# KiCad board FreeDSP_INTEGRA_QUAD_BASIC.kicad_pcb
title: FreeDSP INTEGRA DUO; date: 2026-01-02; rev: 0.3; company: CyberPit HILO
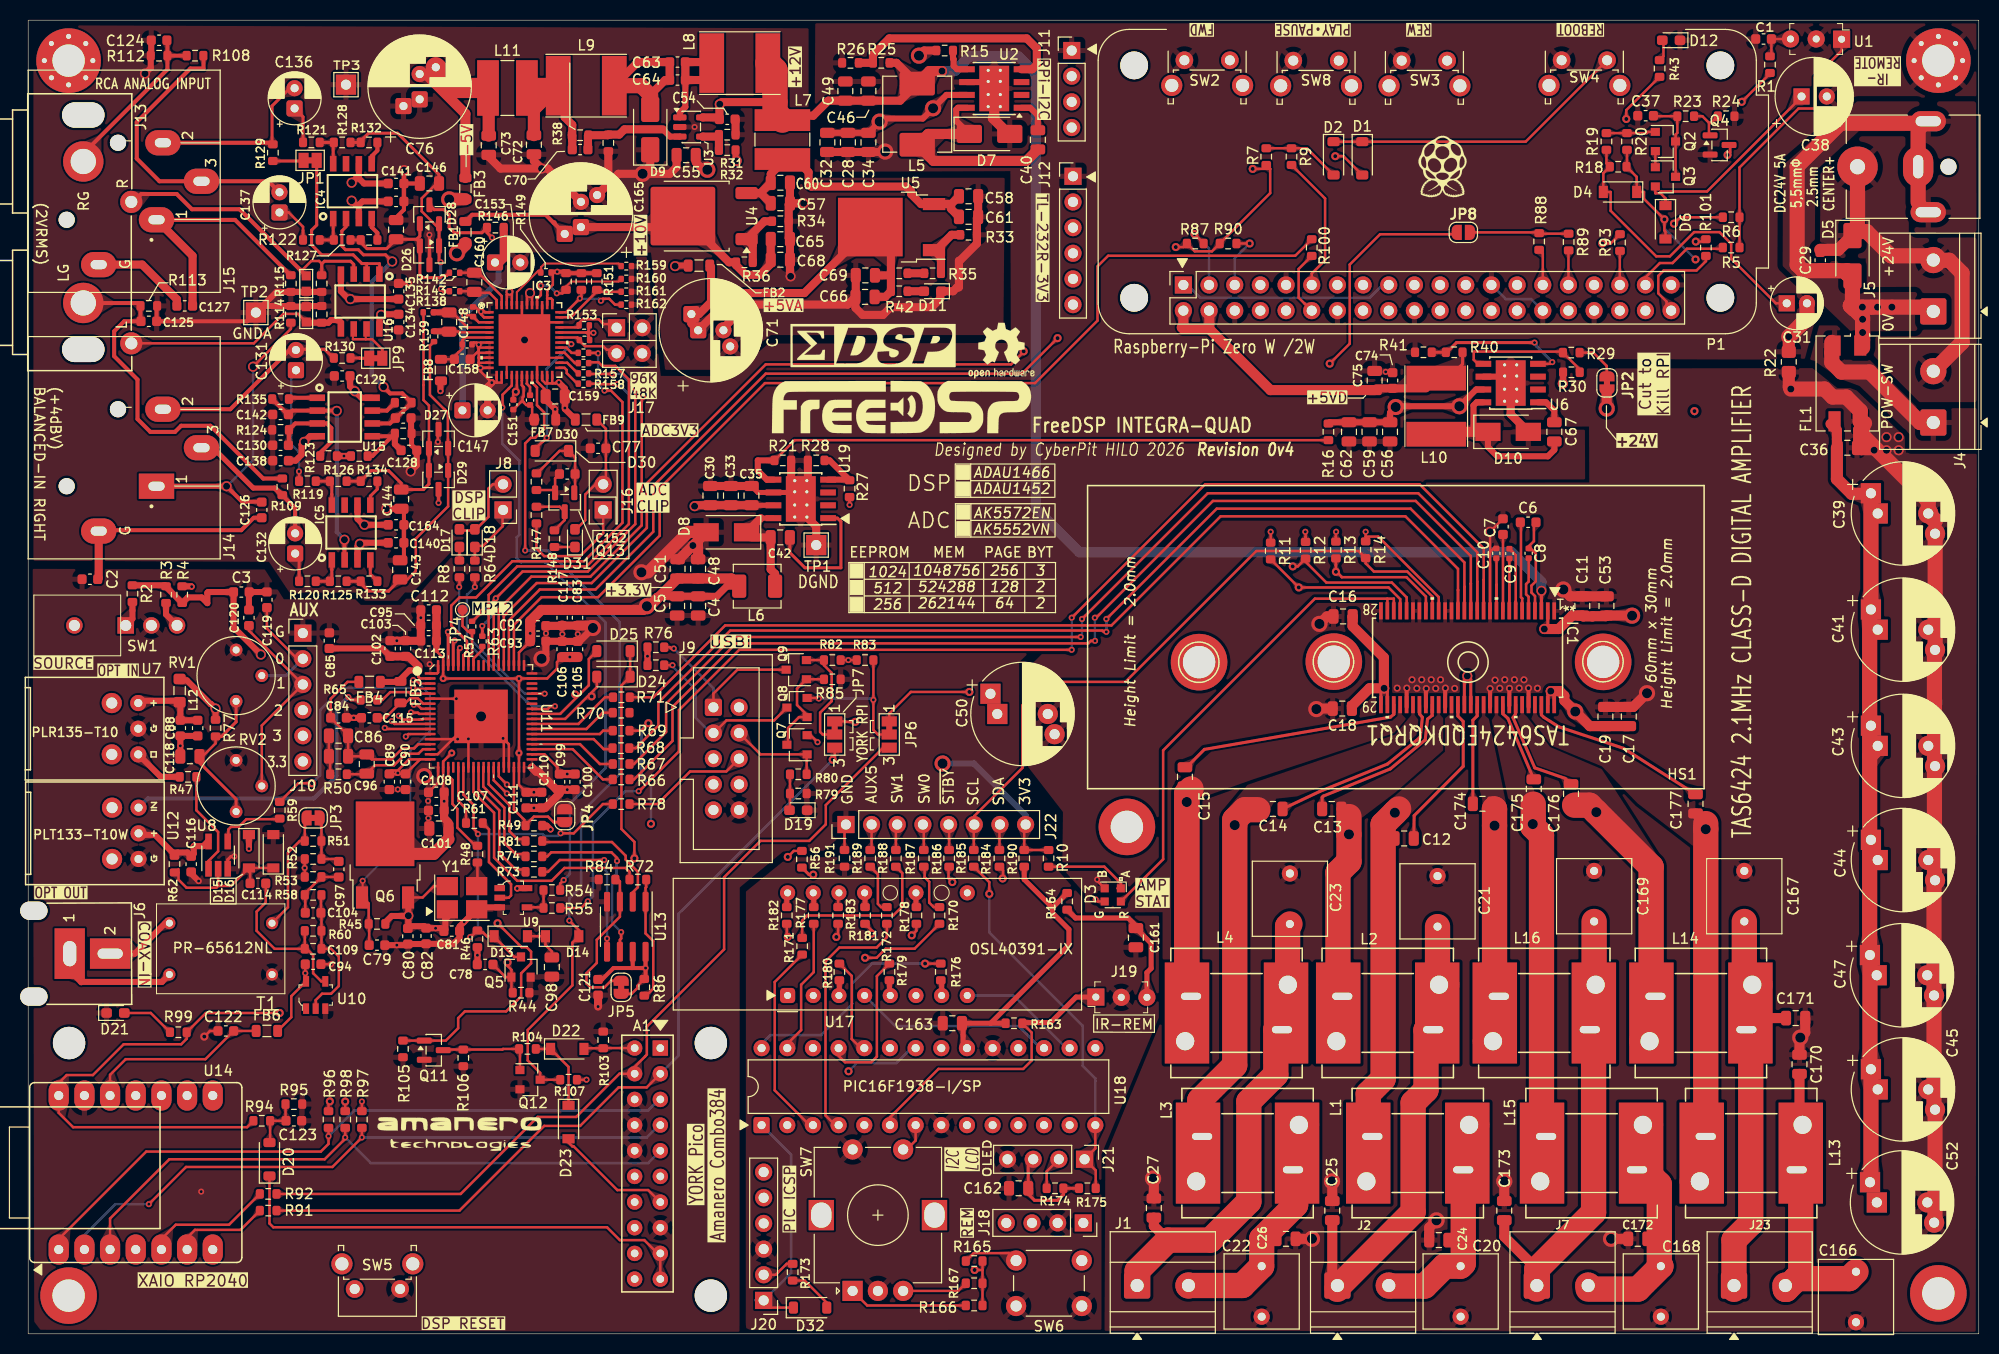
[diagram p0: board, top side]
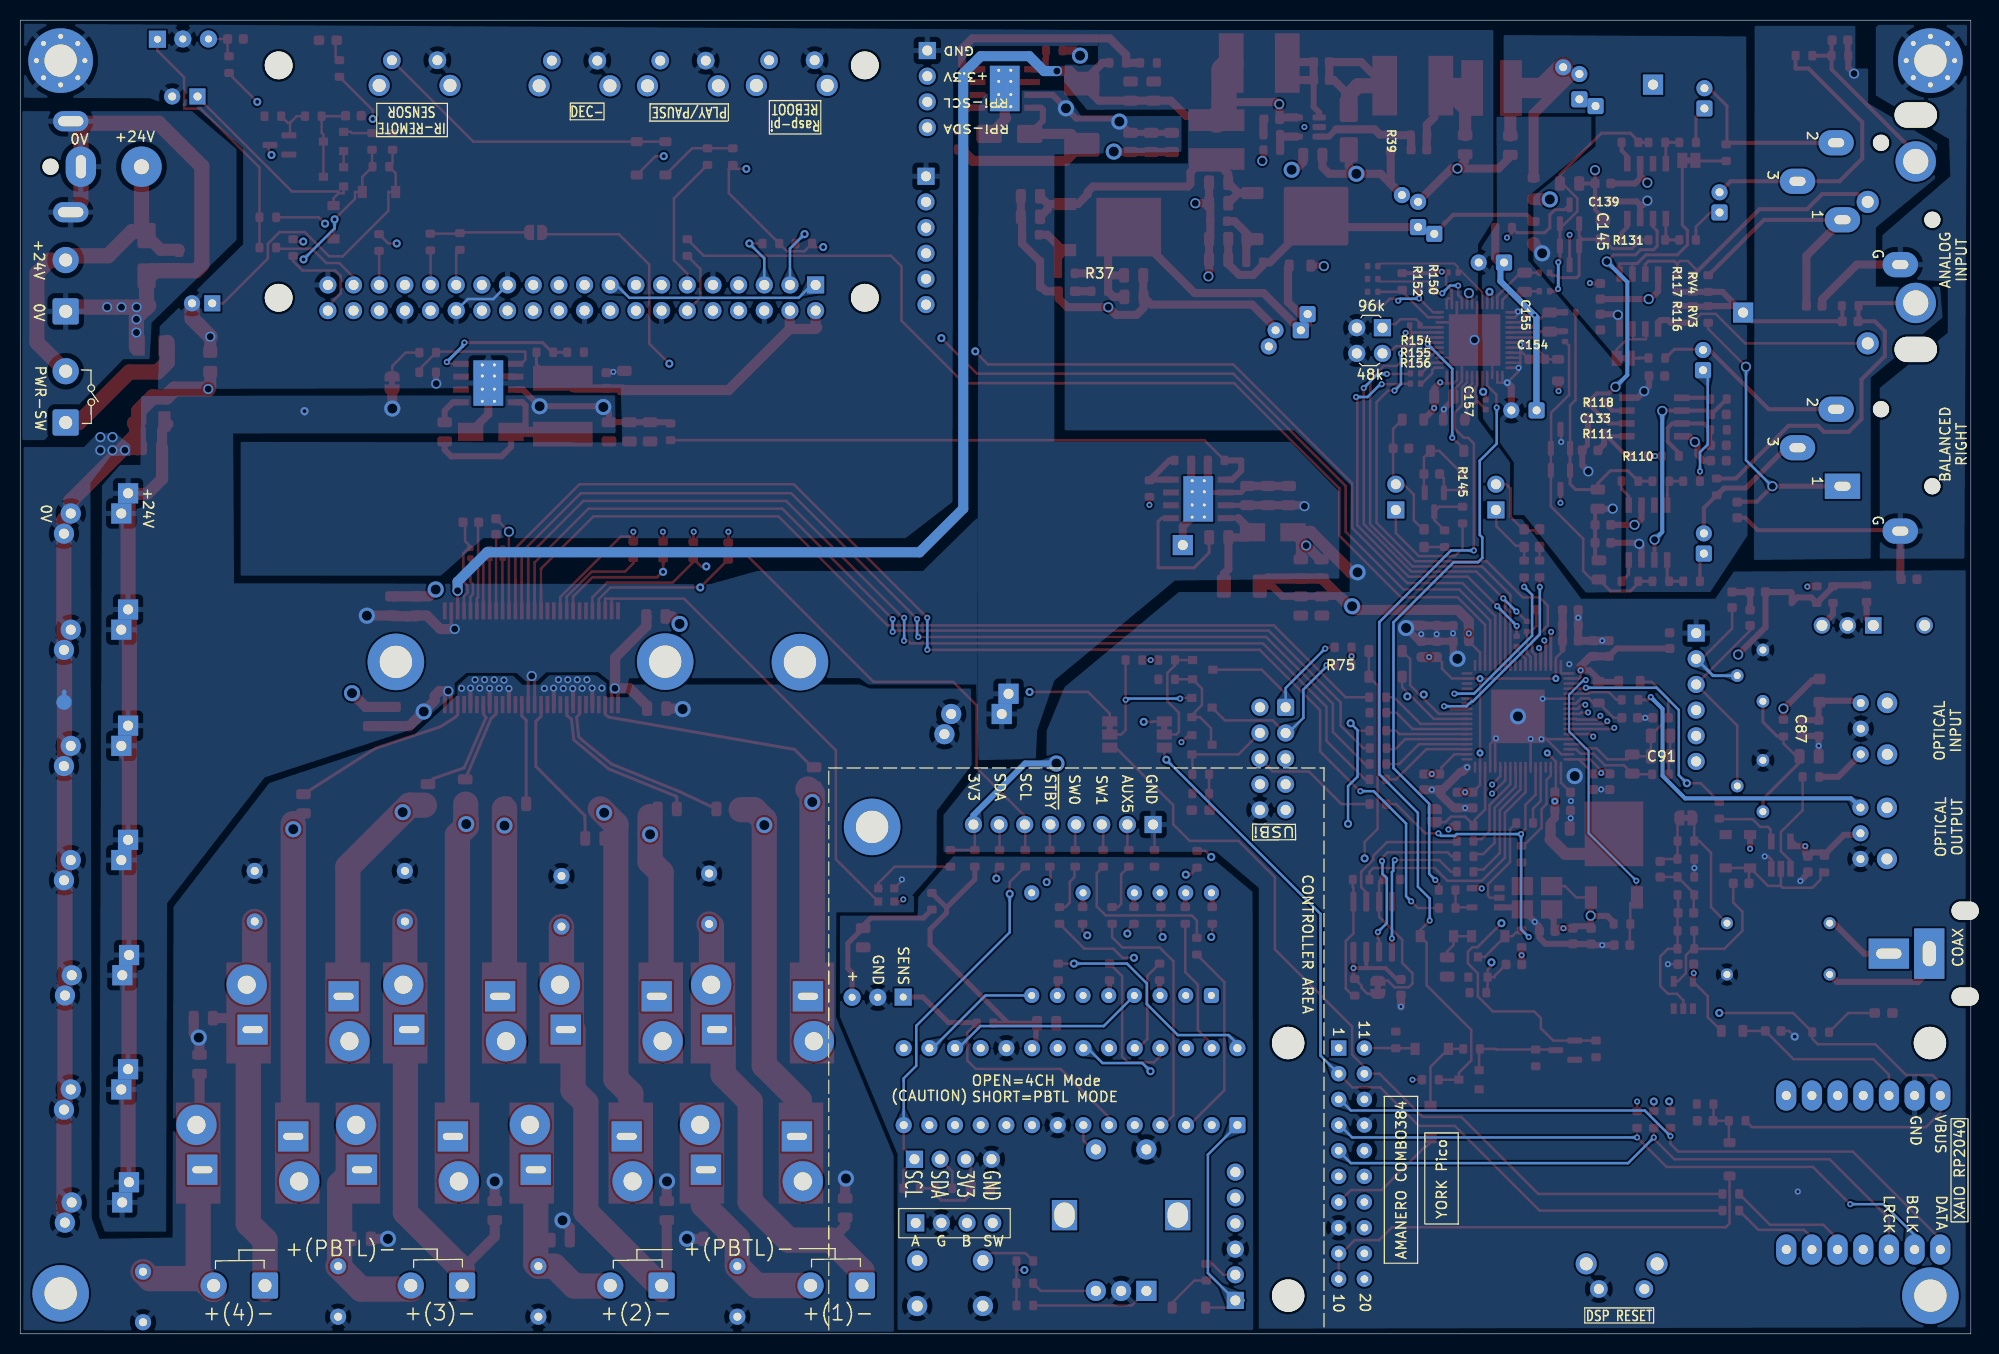
[diagram p1: board, bottom side, seen from below]

Outline 193 x 130 mm; copper layers: Top, In1.Cu (plane), In2.Cu, Bottom. Coordinates in mm from the lower left corner of the outline.
Outline path: 0,130 0,0 193,0 193,130 0,130
Stack: Top 0.035mm / dielectric 0.1mm FR4 er 4.5 / In1.Cu 0.035mm / dielectric 1.24mm FR4 er 4.5 / In2.Cu 0.035mm / dielectric 0.1mm FR4 er 4.5 / Bottom 0.035mm

## Placement (name value [footprint] x y rotation side)
A1  Combo384-Combo384  [Combo384]  62.55 28.28 270 bottom
C1  0.1uF/50V  [C_0603_1608Metric]  171.7 128.14 180 top
C2  0.1uF/50V  [C_0603_1608Metric]  6.11 74.68 0 top
C3  0.1uF/50V  [C_0603_1608Metric]  21.09 73.41 0 top
C4  0.1uF/100V  [C_0805_2012Metric]  66.29 72.03 90 top
C5  10uF/50V  [C_0805_2012Metric]  64.21 72.03 270 top
C6  1uF  [C_0603_1608Metric]  148.41 80.31 180 top
C7  1uF  [C_0603_1608Metric]  145.92 79.88 270 top
C8  1uF  [C_0402_1005Metric]  148.46 77.24 270 top
C9  1uF  [C_0402_1005Metric]  146.56 77.22 270 top
C10  1uF  [C_0402_1005Metric]  145.26 77.24 270 top
C11  2.2uF/50V  [C_0805_2012Metric]  153.77 72.03 90 top
C12  2.2uF/50V  [C_0805_2012Metric]  136.14 49.02 180 top
C13  2.2uF/50V  [C_0805_2012Metric]  128.98 51.94 180 top
C14  2.2uF/50V  [C_0805_2012Metric]  123.16 51.94 180 top
C15  2.2uF/50V  [C_0805_2012Metric]  114.45 55.12 90 top
C16  10uF/50V  [C_0805_2012Metric]  130.1 70.99 180 top
C17  0.1uF/100V  [C_0805_2012Metric]  158.37 61.09 90 top
C18  0.1uF/100V  [C_0805_2012Metric]  130.02 61.87 180 top
C19  10uF/50V  [C_0805_2012Metric]  156.06 61.09 90 top
C20  1.0uF/50V  [C_Rect_L7.2mm_W7.2mm_P5.00mm_FKS2_FKP2_MKS2_MKP2]  141.73 1.69 90 top
C21  1.0uF/50V  [C_Rect_L7.2mm_W7.2mm_P5.00mm_FKS2_FKP2_MKS2_MKP2]  139.45 45.3 270 top
C22  1.0uF/50V  [C_Rect_L7.2mm_W7.2mm_P5.00mm_FKS2_FKP2_MKS2_MKP2]  122.05 1.69 90 top
C23  1.0uF/50V  [C_Rect_L7.2mm_W7.2mm_P5.00mm_FKS2_FKP2_MKS2_MKP2]  124.84 45.55 270 top
C24  1nF/50V(C0G)  [C_0805_2012Metric]  139.57 9.27 0 top
C25  1nF/50V(C0G)  [C_0805_2012Metric]  129.03 12.19 270 top
C26  1nF/50V(C0G)  [C_0805_2012Metric]  124.46 9.4 180 top
C27  1nF/50V(C0G)  [C_0805_2012Metric]  111.38 12.45 270 top
C28  10uF/50V  [C_0805_2012Metric]  81.11 117.91 270 top
C29  0.1uF/50V  [C_0603_1608Metric]  177.31 106.24 90 top
C30  10uF/50V  [C_0805_2012Metric]  67.5 82.95 90 top
C31  22uF/16V  [CP_Radial_D5.0mm_P2.00mm]  174 101.98 0 top
C32  1uF/50V  [C_0805_2012Metric]  79.07 117.91 270 top
C33  1uF/50V  [C_0805_2012Metric]  69.53 82.95 90 top
C34  0.1uF/100V  [C_0805_2012Metric]  83.14 117.91 90 top
C35  0.1uF/100V  [C_0805_2012Metric]  71.57 82.95 270 top
C36  0.1uF/100V  [C_0805_2012Metric]  180 87.68 0 top
C37  0.1uF/50V  [C_0603_1608Metric]  160.03 120.55 0 top
C38  220uF/25V  [CP_Radial_D7.5mm_P2.50mm]  175.46 122.45 0 top
C39  470uF/25V_OS  [CP_Radial_D10.0mm_P5.00mm_P7.50mm]  183 81.18 0 top
C40  0.1uF/100V  [C_0805_2012Metric]  99.9 118.16 270 top
C41  470uF/25V_OS  [CP_Radial_D10.0mm_P5.00mm_P7.50mm]  183 69.68 0 top
C42  0.1uF/100V  [C_0805_2012Metric]  74.41 78.82 180 top
C43  470uF/25V_OS  [CP_Radial_D10.0mm_P5.00mm_P7.50mm]  183 58.18 0 top
C44  470uF/25V_OS  [CP_Radial_D10.0mm_P5.00mm_P7.50mm]  183 46.88 0 top
C45  470uF/25V_OS  [CP_Radial_D10.0mm_P5.00mm_P7.50mm]  183 24.18 0 top
C46  0.1uF/100V  [C_0805_2012Metric]  83.14 122.99 270 top
C47  470uF/25V_OS  [CP_Radial_D10.0mm_P5.00mm_P7.50mm]  182.9 35.48 0 top
C48  0.1uF/100V  [C_0805_2012Metric]  66.29 75.7 270 top
C49  22uF/6.3V  [C_0805_2012Metric]  80.85 122.99 90 top
C50  470uF/25V_OS  [CP_Radial_D10.0mm_P5.00mm_P7.50mm]  95.88 61.34 0 top
C51  22uF/6.3V  [C_0805_2012Metric]  64.25 75.7 90 top
C52  470uF/25V_OS  [CP_Radial_D10.0mm_P5.00mm_P7.50mm]  182.91 13 0 top
C53  0.1uF/100V  [C_0805_2012Metric]  156.16 72.03 270 top
C54  10nF  [C_0603_1608Metric]  69.17 120.19 0 top
C55  10uF/50V  [C_0805_2012Metric]  65.1 116.64 180 top
C56  10uF/50V  [C_0805_2012Metric]  134.75 89.26 270 top
C57  10uF/50V  [C_0805_2012Metric]  74.43 111.88 0 top
C58  10uF/50V  [C_0805_2012Metric]  93.04 112.57 0 top
C59  1uF/50V  [C_0805_2012Metric]  132.72 89.26 270 top
C60  0.1uF/100V  [C_0805_2012Metric]  74.43 113.92 0 top
C61  0.1uF/100V  [C_0805_2012Metric]  93.04 110.54 0 top
C62  0.1uF/100V  [C_0805_2012Metric]  130.68 89.26 90 top
C63  1uF  [C_0603_1608Metric]  64.25 125.86 0 top
C64  1uF  [C_0603_1608Metric]  64.25 124.08 0 top
C65  0.1uF/100V  [C_0805_2012Metric]  74.43 108.33 0 top
C66  0.1uF/100V  [C_0805_2012Metric]  82.8 102.62 180 top
C67  0.1uF/100V  [C_0805_2012Metric]  151 89.26 270 top
C68  1uF/50V  [C_0805_2012Metric]  74.43 106.3 0 top
C69  1uF/50V  [C_0805_2012Metric]  82.83 104.75 180 top
C70  NOP  [C_0603_1608Metric]  54.61 117.2 180 top  (not fitted)
C71  220uF/6.3V  [CP_Radial_D10.0mm_P2.50mm_P5.00mm]  66.29 99.31 0 top
C72  10uF/50V  [C_0805_2012Metric]  50.04 117.68 270 top
C73  10uF/50V  [C_0805_2012Metric]  45.57 117.63 270 top
C74  0.1uF/50V  [C_0603_1608Metric]  135 94.34 270 top
C75  22uF/6.3V  [C_0805_2012Metric]  133.22 94.34 90 top
C76  220uF/6.3V  [CP_Radial_D10.0mm_P2.50mm_P5.00mm]  38.73 122.17 90 top
C77  1uF  [C_0603_1608Metric]  56.39 87.63 0 top
C78  0.1uF/50V  [C_0603_1608Metric]  45.21 36.55 0 top
C79  NOP  [C_0603_1608Metric]  34.52 38.46 180 top  (not fitted)
C80  0.1uF/50V  [C_0603_1608Metric]  37.57 39.34 90 top
C81  10nF  [C_0603_1608Metric]  41.91 39.85 180 top
C82  0.1uF/50V  [C_0603_1608Metric]  39.37 39.37 90 top
C83  1uF  [C_0603_1608Metric]  54.35 70.87 90 top
C84  0.1uF/50V  [C_0603_1608Metric]  30.71 60.96 0 top
C85  10uF  [C_0603_1608Metric]  29.8 68.6 270 top
C86  1nF/50V(C0G)  [C_0805_2012Metric]  30.71 59.18 0 top
C87  10uF  [C_0603_1608Metric]  16.77 59.94 270 top
C88  0.1uF/50V  [C_0603_1608Metric]  15.06 59.94 270 top
C89  1uF  [C_0603_1608Metric]  35.74 54.64 270 top
C90  0.1uF/50V  [C_0603_1608Metric]  37.34 54.64 90 top
C91  4700pF  [C_0805_2012Metric]  30.71 57.15 0 top
C92  1uF  [C_0603_1608Metric]  50.45 70.06 0 top
C93  0.1uF/50V  [C_0603_1608Metric]  50.45 68.54 180 top
C94  0.1uF/50V  [C_0603_1608Metric]  28.19 36.58 180 top
C95  1uF  [C_0603_1608Metric]  39.62 70.1 0 top
C96  150pF  [C_0805_2012Metric]  33.5 56.39 90 top
C97  0.1uF/50V  [C_0603_1608Metric]  30.73 45.97 270 top
C98  10uF/50V  [C_0805_2012Metric]  51.82 36.3 90 top
C99  1uF  [C_0603_1608Metric]  52.58 54.62 270 top
C100  0.1uF/50V  [C_0603_1608Metric]  54.1 54.62 90 top
C101  10uF/50V  [C_0805_2012Metric]  40.64 50.01 0 top
C102  1uF  [C_0603_1608Metric]  35.81 67.82 90 top
C103  0.1uF/50V  [C_0603_1608Metric]  37.34 67.82 270 top
C104  NOP  [C_0603_1608Metric]  28.19 41.66 0 top
C105  1uF  [C_0603_1608Metric]  54.36 67.75 90 top
C106  0.1uF/50V  [C_0603_1608Metric]  52.83 67.75 270 top
C107  1uF  [C_0603_1608Metric]  40.39 51.79 180 top
C108  0.1uF/50V  [C_0603_1608Metric]  40.39 53.59 0 top
C109  2.2pF  [R_0603_1608Metric]  28.19 38.1 0 top
C110  1uF  [C_0603_1608Metric]  50.8 52.82 270 top
C111  0.1uF/50V  [C_0603_1608Metric]  49.28 52.82 90 top
C112  1uF  [C_0603_1608Metric]  39.62 71.63 180 top
C113  0.1uF/50V  [C_0603_1608Metric]  39.62 68.58 0 top
C114  0.1uF/50V  [C_0603_1608Metric]  22.73 44.58 180 top
C115  0.1uF/50V  [C_0603_1608Metric]  33.75 60.96 180 top
C116  0.1uF/50V  [C_0603_1608Metric]  16.13 46.48 90 top
C117  0.1uF/50V  [C_0603_1608Metric]  52.83 70.87 270 top
C118  10uF/50V  [C_0805_2012Metric]  16 57.15 180 top
C119  0.1uF/50V  [C_0603_1608Metric]  23.62 72.64 90 top
C120  0.1uF/50V  [C_0603_1608Metric]  21.84 70.87 90 top
C121  0.1uF/50V  [C_0603_1608Metric]  56.39 34.29 90 top
C122  0.1uF/50V  [C_0603_1608Metric]  19.56 29.97 0 top
C123  0.1uF/50V  [C_0603_1608Metric]  26.29 21.08 180 top
C124  0.1uF/50V  [C_0603_1608Metric]  12.95 128.02 0 top
C125  0.1uF/50V  [C_0603_1608Metric]  11.94 100.2 180 top
C126  0.1uF/50V  [C_0603_1608Metric]  23.11 81.53 90 top
C127  0.1uF/50V  [C_0603_1608Metric]  15.49 101.73 0 top
C128  10uF  [C_0603_1608Metric]  37.67 87.43 0 top
C129  0.1uF/50V  [C_0603_1608Metric]  31.07 94.79 0 top
C130  0.1uF/50V  [C_0603_1608Metric]  24.97 86.41 0 top
C131  10uF/16V  [CP_Radial_D5.0mm_P2.00mm#2]  26.5 95.36 90 top
C132  10uF/16V  [CP_Radial_D5.0mm_P2.00mm#2]  26.42 77.22 90 top
C133  10uF  [C_0603_1608Metric]  37.11 90.63 0 top
C134  0.1uF/50V  [C_0603_1608Metric]  36.66 100.13 90 top
C135  0.1uF/50V  [C_0603_1608Metric]  36.66 103.17 270 top
C136  10uF/16V  [CP_Radial_D5.0mm_P2.00mm#2]  26.36 121.27 90 top
C137  10uF/16V  [CP_Radial_D5.0mm_P2.00mm#2]  24.87 110.97 90 top
C138  10uF  [C_0603_1608Metric]  24.97 87.94 180 top
C139  0.1uF/50V  [C_0603_1608Metric]  36.4 112.06 180 top
C140  0.1uF/50V  [C_0603_1608Metric]  36.4 78.28 180 top
C141  0.1uF/50V  [C_0603_1608Metric]  36.4 113.84 180 top
C142  10uF  [C_0603_1608Metric]  24.97 90.98 180 top
C143  22pF(C0G)  [C_0805_2012Metric]  36.8 75.6 90 top
C144  22pF(C0G)  [C_0805_2012Metric]  36.91 82.6 90 top
C145  22pF(C0G)  [C_0805_2012Metric]  36.4 109.27 90 top
C146  22pF(C0G)  [C_0805_2012Metric]  39.7 113.84 0 top
C147  100uF/16V_OS  [CP_Radial_D5.0mm_P2.50mm]  42.97 91.39 0 top
C148  1500pF(C0G)  [C_0805_2012Metric]  41.66 100.13 270 top
C151  0.1uF  [C_0402_1005Metric]  48.01 91.95 90 top
C152  0.1uF/50V  [C_0603_1608Metric]  53.34 85.09 180 top
C153  100uF/16V_OS  [CP_Radial_D5.0mm_P2.50mm]  46.19 106.02 0 top
C154  0.1uF  [C_0402_1005Metric]  43.43 97.92 0 top
C155  0.1uF  [C_0402_1005Metric]  44.02 101.14 90 top
C157  1uF  [C_0402_1005Metric]  49.66 92.41 270 top
C158  10uF  [C_0603_1608Metric]  42.95 96.44 0 top
C159  10uF/50V  [C_0805_2012Metric]  52.15 92.76 180 top
C160  1500pF(C0G)  [C_0805_2012Metric]  44.15 104.06 90 top
C161  0.1uF/100V  [C_0805_2012Metric]  109.6 39.2 270 top
C162  0.1uF/100V  [C_0805_2012Metric]  98 14.4 0 top
C163  22uF/6.3V  [C_0805_2012Metric]  91.44 30.73 180 top
C164  0.1uF/50V  [C_0603_1608Metric]  36.4 80.06 0 top
C165  330uF/16V  [CP_Radial_D10.0mm_P2.50mm_P5.00mm]  54.69 109.53 90 top
C166  1.0uF/50V  [C_Rect_L7.2mm_W7.2mm_P5.00mm_FKS2_FKP2_MKS2_MKP2]  180.85 1.14 90 top
C167  1.0uF/50V  [C_Rect_L7.2mm_W7.2mm_P5.00mm_FKS2_FKP2_MKS2_MKP2]  169.8 45.81 270 top
C168  1.0uF/50V  [C_Rect_L7.2mm_W7.2mm_P5.00mm_FKS2_FKP2_MKS2_MKP2]  161.54 1.69 90 top
C169  1.0uF/50V  [C_Rect_L7.2mm_W7.2mm_P5.00mm_FKS2_FKP2_MKS2_MKP2]  154.94 45.81 270 top
C170  1nF/50V(C0G)  [C_0805_2012Metric]  175.26 26.67 270 top
C171  1nF/50V(C0G)  [C_0805_2012Metric]  174.88 31.24 180 top
C172  1nF/50V(C0G)  [C_0805_2012Metric]  159.26 9.4 0 top
C173  1nF/50V(C0G)  [C_0805_2012Metric]  146.05 12.19 270 top
C174  2.2uF/50V  [C_0805_2012Metric]  143.89 52.45 0 top
C175  2.2uF/50V  [C_0805_2012Metric]  148.97 53.92 270 top
C176  2.2uF/50V  [C_0805_2012Metric]  152.65 53.44 270 top
C177  2.2uF/50V  [C_0805_2012Metric]  164.97 52.45 270 top
D1  1N4148W  [D_SOD-123#2]  132 116.33 270 top
D2  1N4148W  [D_SOD-123#2]  129.16 116.33 270 top
D3  LED_ABGR  [LED_0603_ABGR]  107.31 43.43 180 top
D4  1N4148W  [D_SOD-123]  157.5 113 180 top
D5  SS54(5A)  [D_SMA#2]  180.5 106.68 270 top
D6  B5819W SL  [D_SOD-123]  162 110 270 top
D7  SS54(5A)  [D_SMA#2]  95.12 118.75 0 top
D8  SS54(5A)  [D_SMA]  69.08 79.32 180 top
D9  SS54(5A)  [D_SMA#2]  61.55 119.18 90 top
D10  SS54(5A)  [D_SMA]  146.43 89.26 0 top
D11  LED_GRN  [LED_0603_1608Metric_Pad1.05x0.95mm_HandSolder]  89.49 103.17 180 top
D12  LED_BLU  [LED_0603_1608Metric_Pad1.05x0.95mm_HandSolder]  162.56 128.02 180 top
D13  B5819W SL  [D_SOD-123]  47.75 39.34 0 top
D14  B5819W SL  [D_SOD-123]  52.83 39.34 0 top
D15  B5819W SL  [D_SOD-123]  21.84 47.75 270 top
D16  B5819W SL  [D_SOD-123]  24.26 47.75 90 top
D17  LED_GRN  [LED_0603_1608Metric_Pad1.05x0.95mm_HandSolder]  42.67 78.74 90 top
D18  LED_RED  [LED_0603_1608Metric_Pad1.05x0.95mm_HandSolder]  44.2 78.74 90 top
D19  LED_YELLOW  [LED_0603_1608Metric_Pad1.05x0.95mm_HandSolder]  76.2 51.82 180 top
D20  1N4148W  [D_SOD-123#2]  23.88 17.27 90 top
D21  LED_WHITE  [LED_0603_1608Metric_Pad1.05x0.95mm_HandSolder]  8.64 31.75 0 top
D22  1N4148W  [D_SOD-123]  53.34 28.19 0 top
D23  1N4148W  [D_SOD-123]  53.47 20.96 270 top
D24  1N4148W  [D_SOD-123#2]  57.91 65.02 180 top
D25  1N4148W  [D_SOD-123#2]  57.91 67.56 180 top
D26  BAT54A  [SOT-23#2]  39.7 106.73 270 top
D27  BAT54A  [SOT-23#2]  40.6 88.57 90 top
D28  BAT54C  [SOT-23#2]  39.7 110.8 90 top
D29  BAT54C  [SOT-23#2]  40.6 84.51 270 top
D30  1N4148W  [D_SOD-123#2]  51.82 87.38 180 top
D31  LED_RED  [LED_0603_1608Metric_Pad1.05x0.95mm_HandSolder]  54.1 78.74 90 top
D32  1N4148W  [D_SOD-123#2]  77.37 2.59 0 top
FB1  GZ2012D601TF  [L_0805_2012Metric]  43.26 109.02 270 top
FB2  GZ2012D601TF  [L_0805_2012Metric]  66.38 105.72 180 top
FB3  GZ2012D601TF  [L_0805_2012Metric]  43.26 113.34 270 top
FB4  GZ2012D601TF  [L_0805_2012Metric]  33.78 64.52 180 top
FB5  GZ2012D601TF  [L_0805_2012Metric]  36.83 63.5 270 top
FB6  GZ2012D601TF  [L_0805_2012Metric]  23.62 29.97 0 top
FB7  GZ2012D601TF  [L_0805_2012Metric]  51.13 90.47 0 top
FB8  GZ2012D601TF  [L_0805_2012Metric]  40.84 95.38 90 top
FB9  GZ2012D601TF  [L_0805_2012Metric]  55.2 90.47 0 top
FL1  MACM9070-701  [ACM9070]  180 94.05 270 top
H1  MountingHole  [MountingHole_3.2mm_M3_DIN965_Pad_TopBottom]  115.85 66.47 0 top
H2  MountingHole  [MountingHole_3.2mm_M3_DIN965_Pad]  189 4 0 top
H3  MountingHole  [MountingHole_3.2mm_M3_DIN965_Pad_TopBottom]  155.83 66.5 0 top
H4  MountingHole  [MountingHole_3.2mm_M3_DIN965_Pad_TopBottom]  108.71 50.17 0 top
H5  MountingHole  [MountingHole_3.2mm_M3_DIN965_Pad_TopBottom]  129.19 66.52 0 top
H6  MountingHole  [MountingHole_3.2mm_M3_DIN965_Pad]  4 3.78 0 top
H7  MountingHole_Pad_via  [MountingHole_3.2mm_M3_Pad_Via]  189 126 0 top
HS1  Heatsink  [HeatSink_30P61A]  166.32 53.95 180 top
IC1  TAS6424EQDKQRQ1  [TAS6424QDKQ56_TEX-L]  142.42 66.9 270 top
IC3  AK5572EN  [QFN48_AKM]  49.1 98.35 0 top
IC4  OPA1632DR  [SOIC127P600X175-8N]  32.08 113.08 90 top
IC5  OPA1632DR  [SOIC127P600X175-8N]  31.95 79.3 90 top
J1  Screw_Terminal_01x02  [TerminalBlock_Phoenix_MKDS-1,5-2-5.08_1x02_P5.08mm_Horizontal]  109.72 4.78 0 top
J2  Screw_Terminal_01x02  [TerminalBlock_Phoenix_MKDS-1,5-2-5.08_1x02_P5.08mm_Horizontal]  129.54 4.78 0 top
J3  Barrel_Jack_2DC-G213-D42  [BarrelJack_2DC-G213-D42]  181 115.5 90 top
J4  Screw_Terminal_01x02  [TerminalBlock_Phoenix_MKDS-1,5-2-5.08_1x02_P5.08mm_Horizontal]  188.5 90.18 90 top
J5  Screw_Terminal_01x02  [TerminalBlock_Phoenix_MKDS-1,5-2-5.08_1x02_P5.08mm_Horizontal]  188.5 101.18 90 top
J6  Conn_Coaxial  [RJ-2410N]  0.11 37.62 90 top
J7  Screw_Terminal_01x02  [TerminalBlock_Phoenix_MKDS-1,5-2-5.08_1x02_P5.08mm_Horizontal]  149.28 4.78 0 top
J8  Conn_01x02  [PinHeader_1x02_P2.54mm_Vertical]  46.99 81.53 180 top
J9  IDC_2x5  [IDC-Header_2x05_P2.54mm_Vertical]  67.8 62 0 top
J10  Conn_01x05  [PinHeader_1x06_P2.54mm_Vertical]  27.18 69.34 0 top
J11  Header_01x04  [PinHeader_1x04_P2.54mm_Vertical]  103.25 127 0 top
J12  Header_01x06  [PinHeader_1x06_P2.54mm_Vertical#2]  103.38 114.55 0 top  (not fitted)
J13  MJ518A/RCJ2123  [MJ-518A]  5.42 109.02 90 top
J14  Molex_MPJ-8004-3P  [MPJ-8004-3P#2]  12 87.69 270 top  (not fitted)
J15  Molex_MPJ-8004-3P  [MPJ-8004-3P]  12 114.06 270 top  (not fitted)
J16  Conn_01x02  [PinHeader_2x01_P2.54mm_Vertical]  56.9 81.53 90 top
J17  PinHeader_02x02  [PinHeader_2x02_P2.54mm_Vertical]  58.22 99.57 0 top
J18  Conn_01x04  [PinSocket_1x04_P2.54mm_Vertical]  104.4 10.97 270 top  (not fitted)
J19  OSRB38C9AA  [IR_Receiver_TSOP38238]  105.61 33.3 0 top  (not fitted)
J20  Header_01x06  [PinHeader_1x06_P2.54mm_Vertical]  72.77 3.3 180 top
J21  Conn_01x04  [PinHeader_1x04_P2.54mm_Vertical#2]  104.52 17.27 270 top  (not fitted)
J22  Conn_01x08  [PinHeader_1x08_P2.54mm_Vertical]  80.91 50.4 90 top  (not fitted)
J23  Screw_Terminal_01x02  [TerminalBlock_Phoenix_MKDS-1,5-2-5.08_1x02_P5.08mm_Horizontal]  168.78 4.78 0 top
JP1  Jumper_NC  [SolderJumper-2_P1.3mm_Bridged_Pad1.0x1.5mm]  27.9 116.13 180 top
JP2  SolderJumper_3_Bridged12  [SolderJumper-2_P1.3mm_Bridged_RoundedPad1.0x1.5mm]  156.21 94.11 270 top
JP3  Jumper_NC  [SolderJumper-2_P1.3mm_Bridged_RoundedPad1.0x1.5mm]  28.19 51.05 180 top
JP4  Jumper_NO  [SolderJumper-2_P1.3mm_Open_RoundedPad1.0x1.5mm]  53.09 51.28 270 top
JP5  Jumper_NC  [SolderJumper-2_P1.3mm_Bridged_RoundedPad1.0x1.5mm]  58.67 34.29 270 top
JP6  SolderJumper_3_Bridged12  [SolderJumper-3_P1.3mm_Bridged12_Pad1.0x1.5mm_NumberLabels]  85.2 59.31 270 top
JP7  SolderJumper_3_Bridged12  [SolderJumper-3_P1.3mm_Bridged12_Pad1.0x1.5mm_NumberLabels]  79.8 59.31 270 top
JP8  Jumper_NO_Small  [SolderJumper-2_P1.3mm_Open_RoundedPad1.0x1.5mm]  142 109 0 top
JP9  Jumper_NC  [SolderJumper-2_P1.3mm_Bridged_Pad1.0x1.5mm]  34.39 96.55 180 top
L1  FXL1350-100-M  [7G14C47]  137.49 17.88 0 top
L2  FXL1350-100-M  [7G14C47]  134.52 31.75 0 top
L3  FXL1350-100-M  [7G14C47]  120.65 17.88 0 top
L4  FXL1350-100-M  [7G14C47]  119.56 31.75 0 top
L5  SMMS0650-150M  [L_Chilisin_BMRB00060650]  87.97 120.7 270 top
L6  FXL0420-4R7-M  [L_TechFuse_SL0420]  72.13 73.99 0 top
L7  SWPA6045S101MT  [L_Ferrocore_DLG-0504]  74.63 118.19 90 top
L8  SWPA6028S560MT  [L_Taiyo-Yuden_NR-60xx_HandSoldering]  70.41 125.76 0 top
L9  SMNR5040-220MT  [L_Taiyo-Yuden_NR-60xx_HandSoldering]  55.22 123.52 0 top
L10  SMMS0650-220M  [L_Taiyo-Yuden_NR-60xx_HandSoldering]  139.32 91.8 270 top
L11  SWPA6045S101MT  [L_Ferrocore_DLG-0504]  47.42 123.29 0 top
L12  SDFL2012T220KTF  [L_0805_2012Metric_Pad1.05x1.20mm_HandSolder]  14.99 63.65 90 top
L13  FXL1350-100-M  [7G14C47]  170.48 17.88 0 top
L14  FXL1350-100-M  [7G14C47]  165.51 31.75 0 top
L15  FXL1350-100-M  [7G14C47]  154.69 17.88 0 top
L16  FXL1350-100-M  [7G14C47]  150.01 31.75 0 top
LOGO1  Logo_Open_Hardware_Small  [LOGO_FREEDSP_600dpi]  86.3 91.8 0 top
MH1  M3  [MountingHole_3.2mm_M3_Pad_Via]  4 126 0 top
P1  Conn_02x20_Odd_Even  [Raspberry_Pi_Zero_Socketed_THT_FaceDown_MountingHoles]  114.3 103.8 90 top
Q2  MMBT5401  [SOT-23]  162 118 0 top
Q3  MMBT5401  [SOT-23]  162 114.5 0 top
Q4  2N7002  [SOT-23#2]  167.35 117.65 0 top
Q5  2N7002  [SOT-23]  48.77 36.3 90 top
Q6  MJD45H11T4  [TO-252-2]  35.31 47.38 90 top
Q7  AO3401A  [SOT-23]  76.07 58.29 180 top
Q8  2N7002  [SOT-23]  76.07 61.98 180 top
Q9  2N7002  [SOT-23]  76 65.72 180 top
Q11  AO3400A  [SOT-23#2]  40.13 28.07 0 top
Q12  2N7002  [SOT-23]  49.66 25.15 0 top
Q13  2N7002  [SOT-23#2]  53.09 82.3 270 top
R1  47R  [R_0603_1608Metric]  172.34 125.6 90 top
R2  4.3k  [R_0603_1608Metric]  10.32 73.25 270 top
R3  1.1k  [R_0603_1608Metric]  13.64 73.15 270 top
R4  2.2k  [R_0603_1608Metric]  15.24 73.15 270 top
R5  NOP  [R_0603_1608Metric]  168.5 107.5 0 top
R6  47R  [R_0603_1608Metric]  168.5 110.5 180 top
R7  10k  [R_0603_1608Metric]  122.5 116.5 90 top
R8  2.2k  [R_0603_1608Metric]  42.67 75.7 270 top
R9  47R  [R_0603_1608Metric]  125 116.5 270 top
R10  330R  [R_0603_1608Metric]  100.97 47.05 90 top
R11  1k  [R_0603_1608Metric]  122.94 77.47 270 top
R12  3.3k  [R_0603_1608Metric]  126.39 77.54 270 top
R13  2.2k  [R_0603_1608Metric]  129.39 77.57 270 top
R14  2.2k  [R_0603_1608Metric]  132.34 77.59 270 top
R15  10k  [R_0603_1608Metric]  90.68 127 0 top
R16  33k  [R_0603_1608Metric]  128.65 89.26 270 top
R18  470K  [R_0603_1608Metric]  157.32 115.5 180 top
R19  100k  [R_0603_1608Metric]  156.16 118 270 top
R20  1MEG  [R_0603_1608Metric]  158.19 118 90 top
R21  3.3k  [R_0603_1608Metric]  74.67 86.44 0 top
R22  0R  [R_0805_2012Metric_Pad1.20x1.40mm_HandSolder]  174.2 96.18 270 top
R23  22k  [R_0603_1608Metric]  164 120.5 180 top
R24  10k  [R_0603_1608Metric]  168 120.5 0 top